# KiCad board LightRail_LPO_1.6T.kicad_pcb
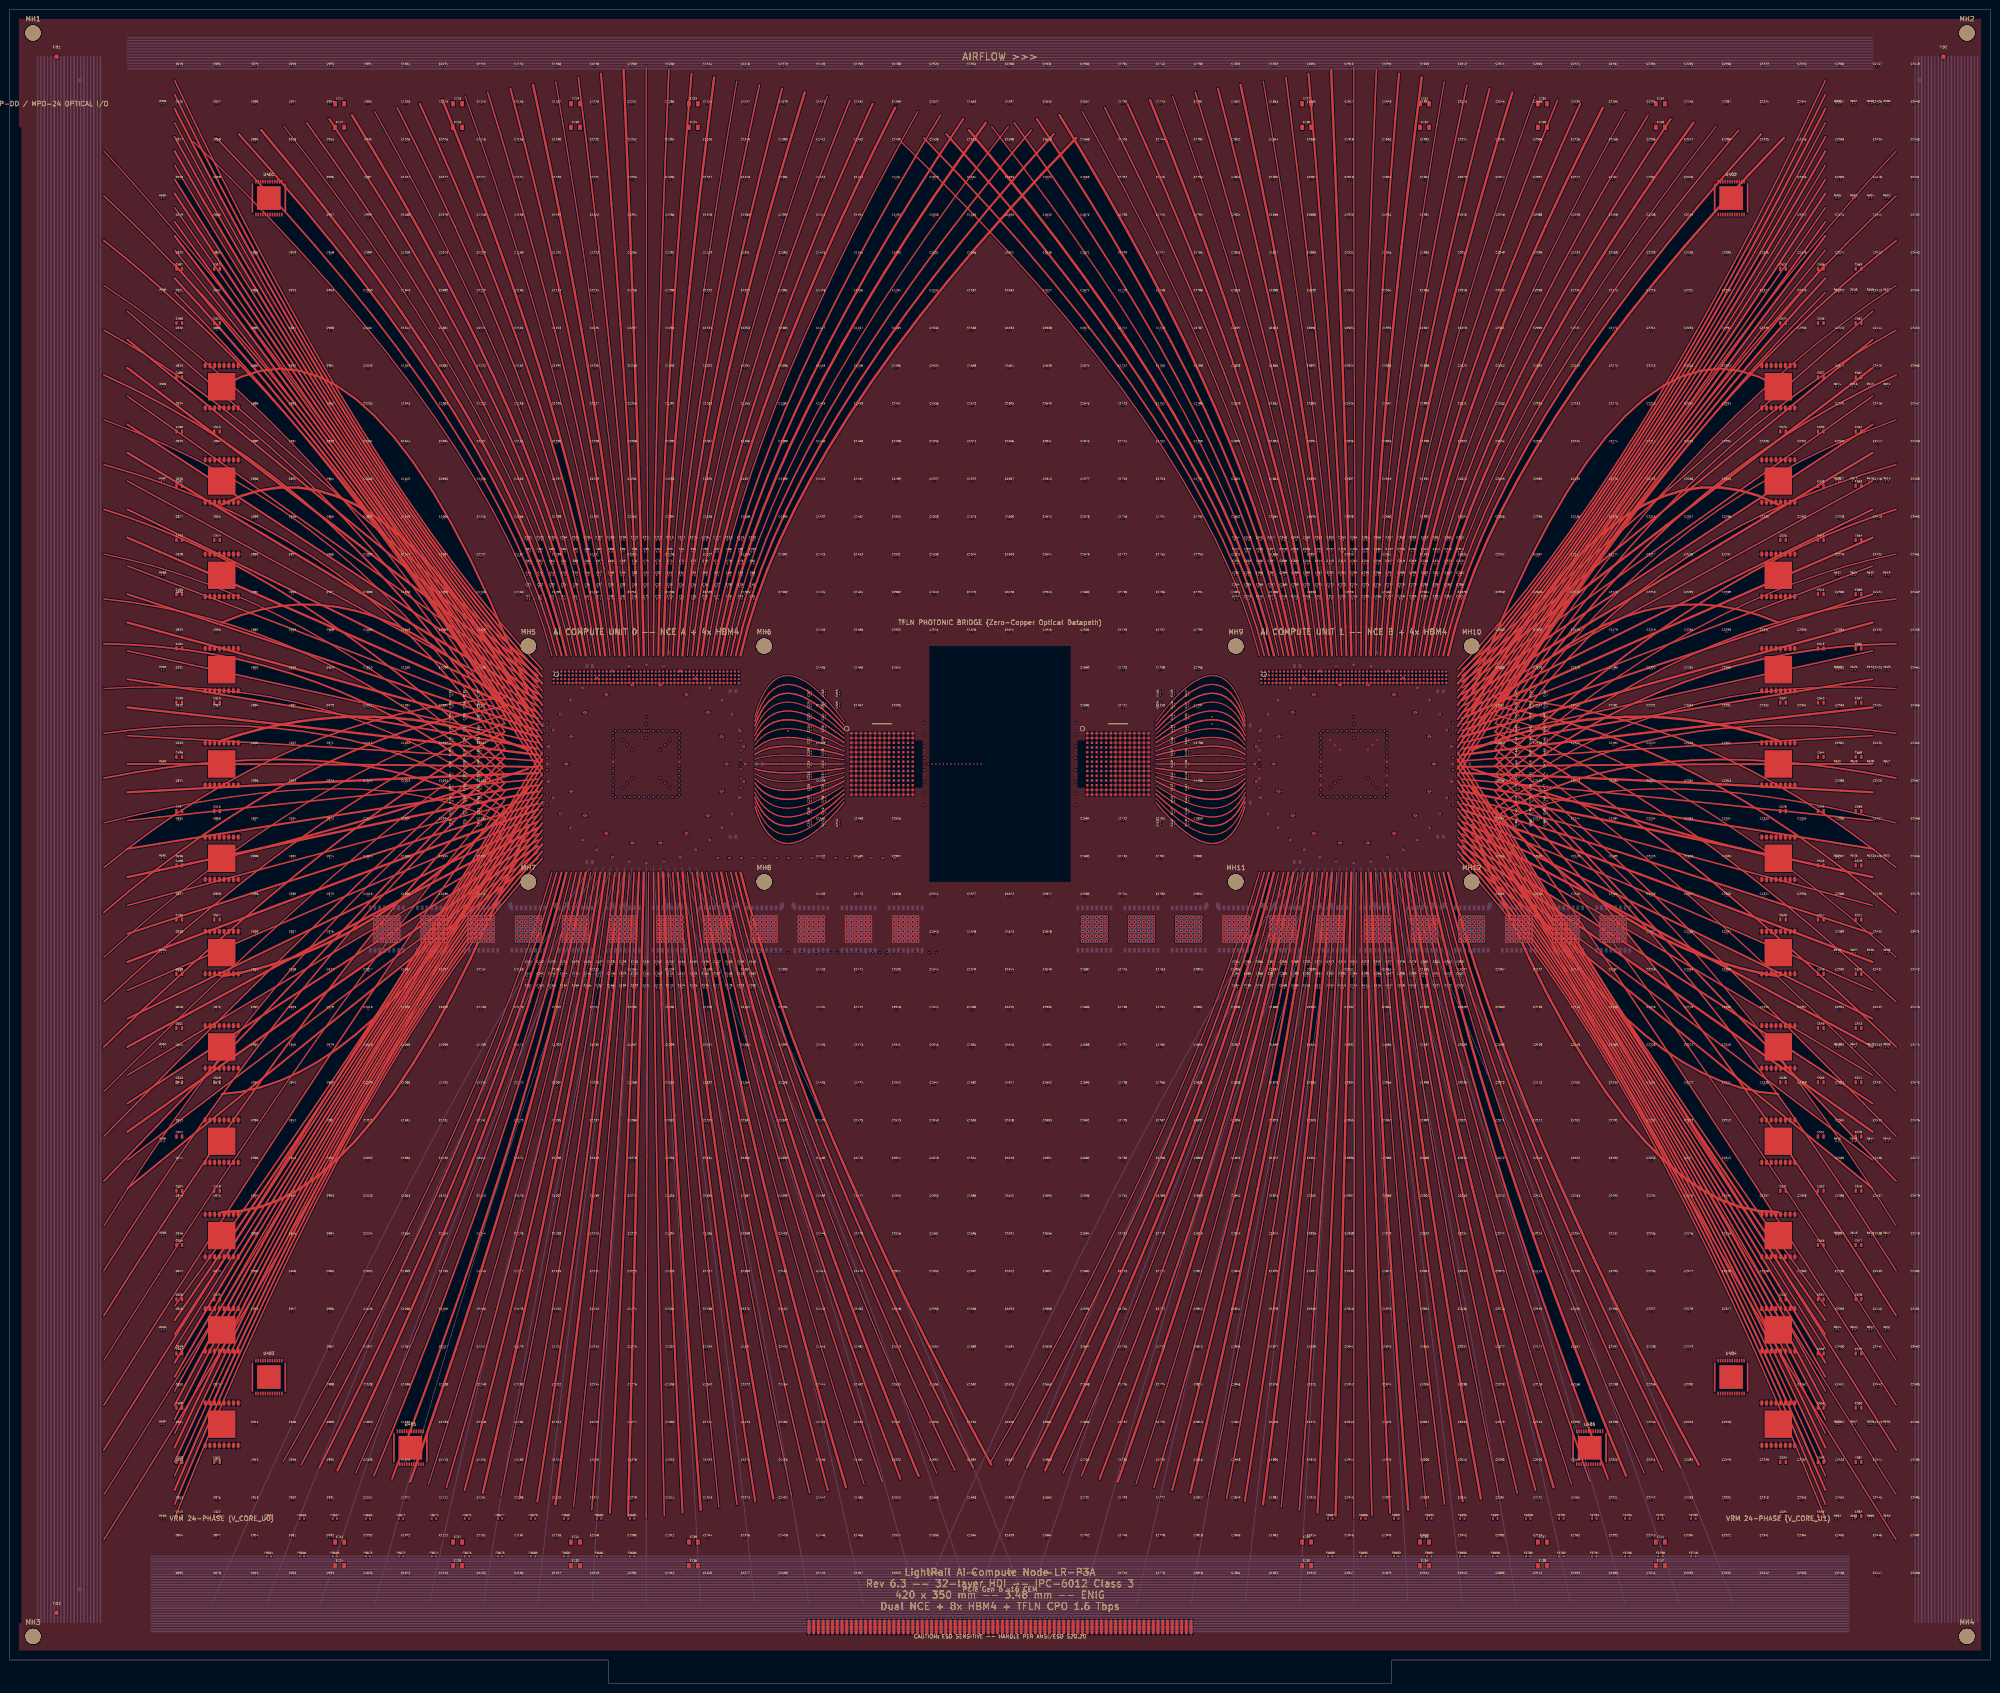
[diagram p0: board, top side]
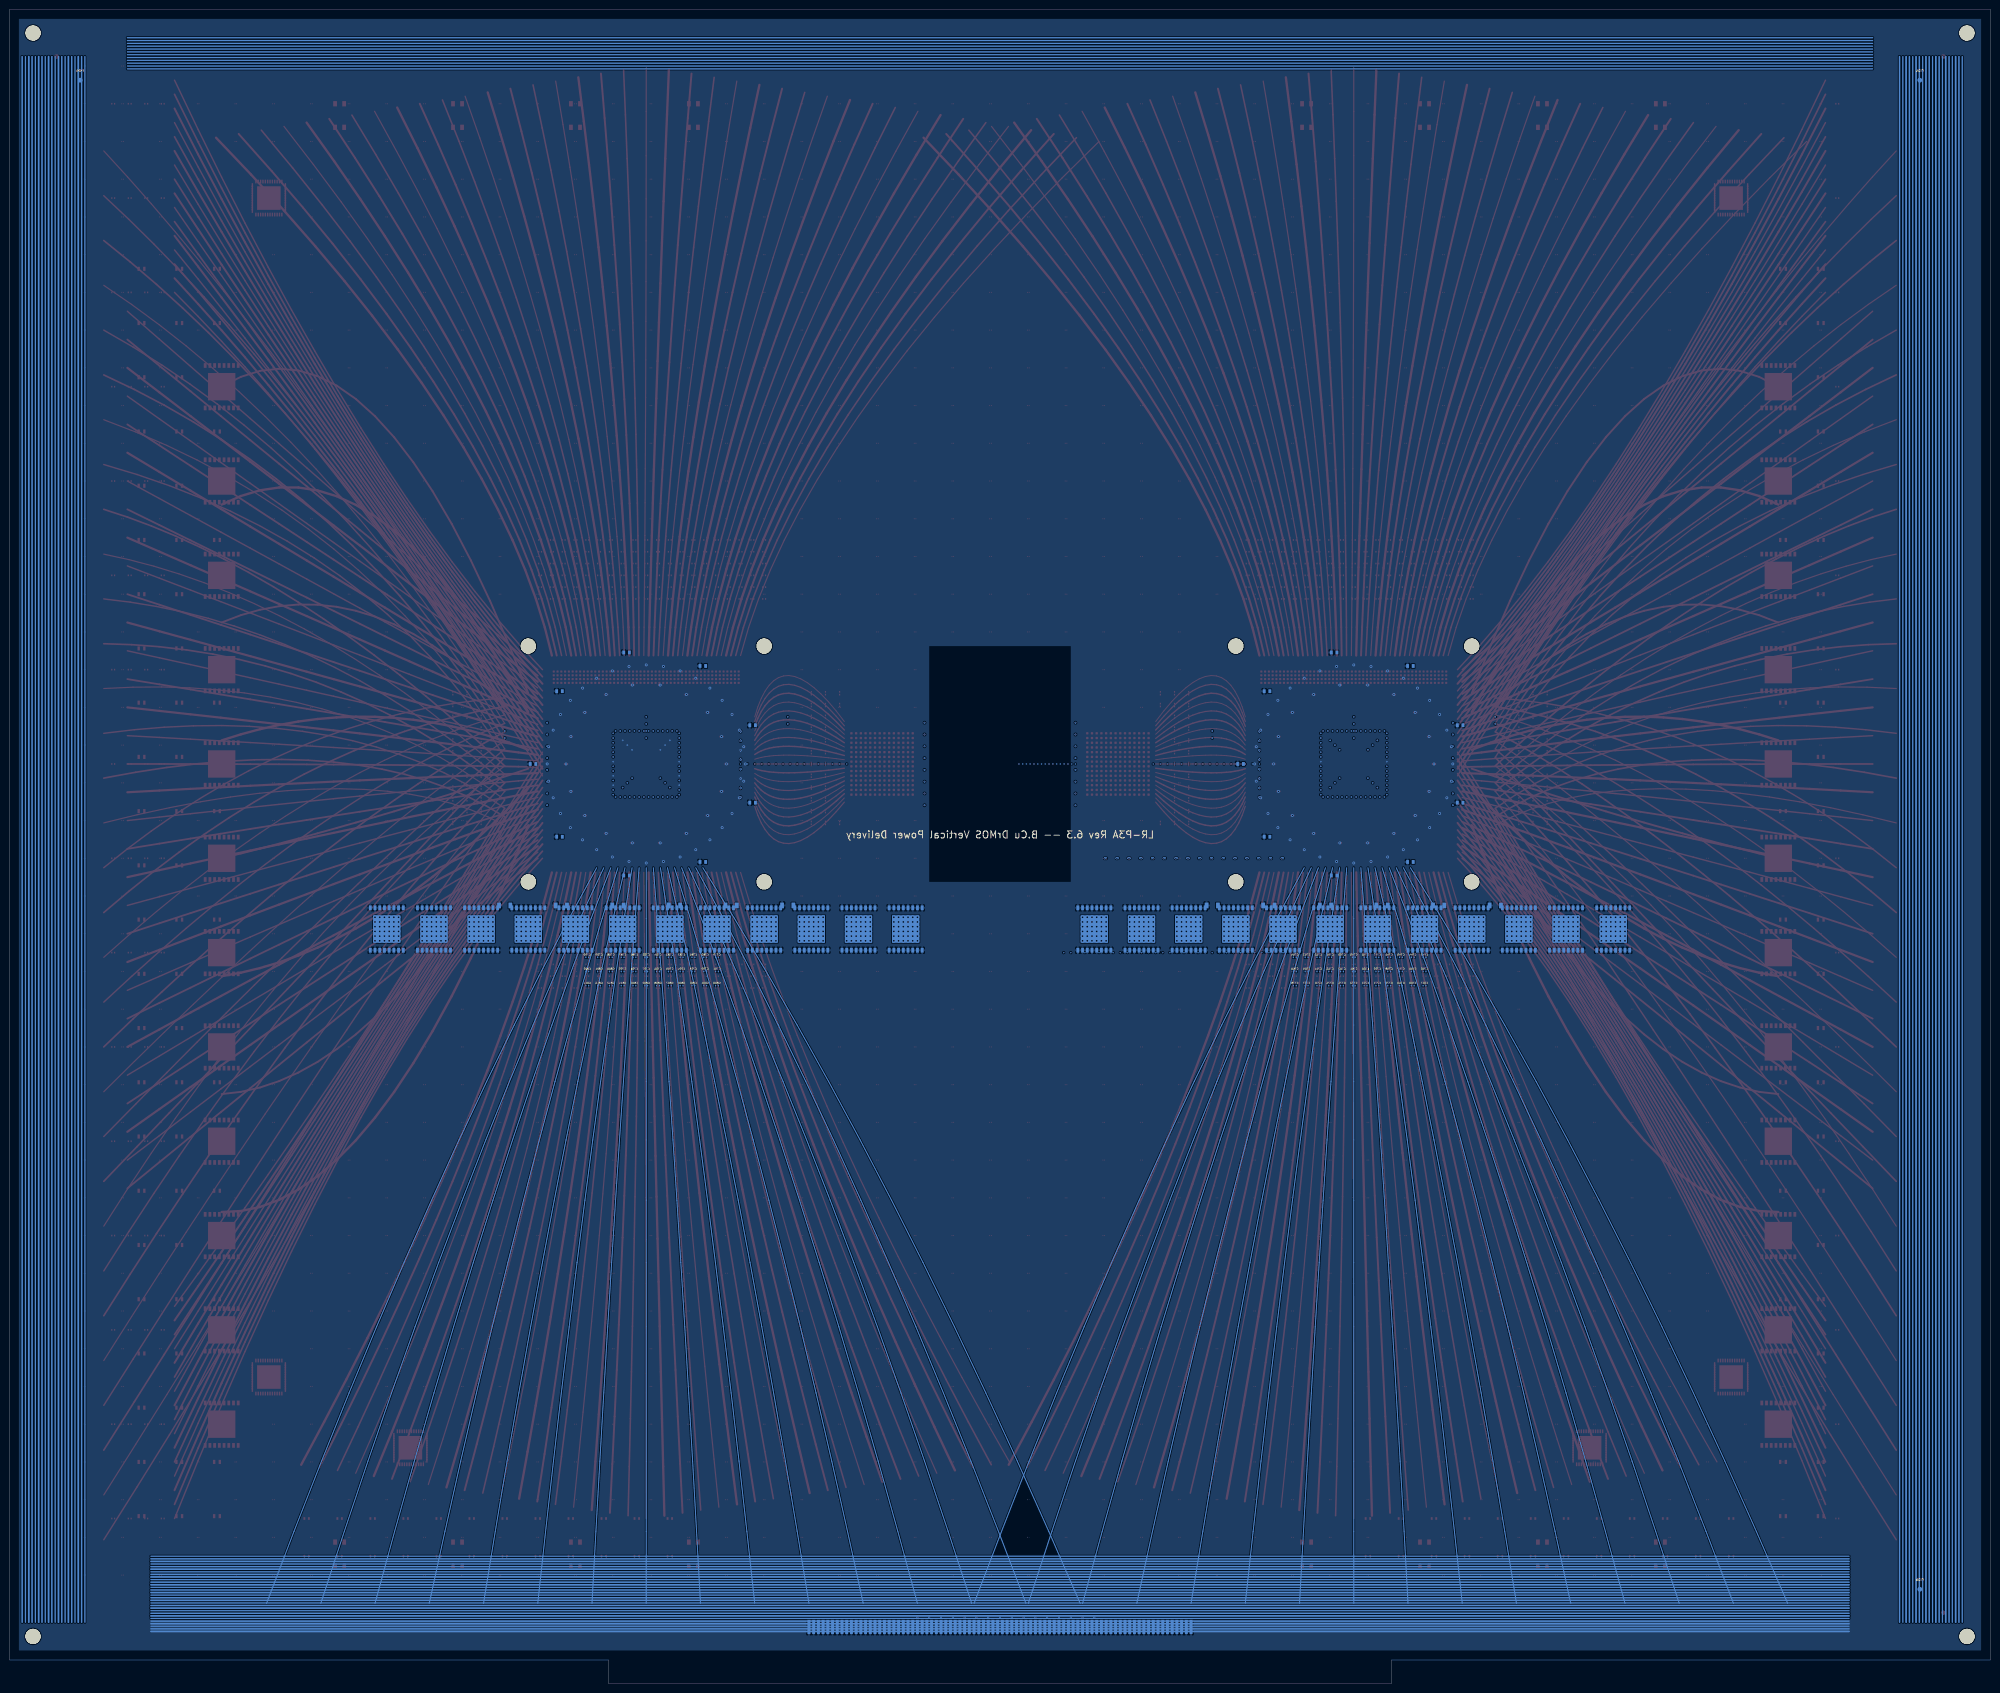
[diagram p1: board, bottom side, seen from below]

Outline 420 x 355 mm; copper layers: Top, In1.Cu, In2.Cu, In3.Cu, In4.Cu, In5.Cu, In6.Cu, In7.Cu, In8.Cu, In9.Cu, In10.Cu, In11.Cu, In12.Cu, In13.Cu, In14.Cu, In15.Cu, In16.Cu, In17.Cu, In18.Cu, In19.Cu, In20.Cu, In21.Cu, In22.Cu, In23.Cu, In24.Cu, In25.Cu, In26.Cu, In27.Cu, In28.Cu, In29.Cu, In30.Cu, Bottom. Coordinates in mm from the lower left corner of the outline.
Outline path: 0,355 420,355 420,5 293,5 293,0 127,0 127,5 0,5 0,355
Stack: Top 0.07mm / dielectric 0.076mm Megtron-7 er 3.3 / In1.Cu 0.0175mm / dielectric 0.076mm Megtron-7 er 3.3 / In2.Cu 0.0175mm / dielectric 0.076mm Megtron-7 er 3.3 / In3.Cu 0.0175mm / dielectric 0.076mm Megtron-7 er 3.3 / In4.Cu 0.0175mm / dielectric 0.076mm Megtron-7 er 3.3 / In5.Cu 0.0175mm / dielectric 0.076mm Megtron-7 er 3.3 / In6.Cu 0.0175mm / dielectric 0.076mm Megtron-7 er 3.3 / In7.Cu 0.0175mm / dielectric 0.076mm Megtron-7 er 3.3 / In8.Cu 0.0175mm / dielectric 0.076mm Megtron-7 er 3.3 / In9.Cu 0.0175mm / dielectric 0.076mm High-Tg-FR4 er 4.2 / In10.Cu 0.07mm / dielectric 0.076mm High-Tg-FR4 er 4.2 / In11.Cu 0.07mm / dielectric 0.076mm High-Tg-FR4 er 4.2 / In12.Cu 0.07mm / dielectric 0.076mm High-Tg-FR4 er 4.2 / In13.Cu 0.07mm / dielectric 0.076mm High-Tg-FR4 er 4.2 / In14.Cu 0.07mm / dielectric 0.024mm Faradflex-BC24 er 14 / In15.Cu 0.035mm / dielectric 0.024mm Faradflex-BC24 er 14 / In16.Cu 0.07mm / dielectric 0.076mm High-Tg-FR4 er 4.2 / In17.Cu 0.07mm / dielectric 0.076mm High-Tg-FR4 er 4.2 / In18.Cu 0.07mm / dielectric 0.076mm High-Tg-FR4 er 4.2 / In19.Cu 0.07mm / dielectric 0.076mm High-Tg-FR4 er 4.2 / In20.Cu 0.07mm / dielectric 0.076mm Megtron-7 er 3.3 / In21.Cu 0.0175mm / dielectric 0.076mm Megtron-7 er 3.3 / In22.Cu 0.0175mm / dielectric 0.076mm Megtron-7 er 3.3 / In23.Cu 0.0175mm / dielectric 0.076mm Megtron-7 er 3.3 / In24.Cu 0.0175mm / dielectric 0.076mm Megtron-7 er 3.3 / In25.Cu 0.0175mm / dielectric 0.076mm Megtron-7 er 3.3 / In26.Cu 0.0175mm / dielectric 0.076mm Megtron-7 er 3.3 / In27.Cu 0.0175mm / dielectric 0.076mm Megtron-7 er 3.3 / In28.Cu 0.0175mm / dielectric 0.076mm Megtron-7 er 3.3 / In29.Cu 0.0175mm / dielectric 0.076mm Megtron-7 er 3.3 / In30.Cu 0.0175mm / dielectric 0.076mm Megtron-7 er 3.3 / Bottom 0.07mm

## Placement (name value [footprint] x y rotation side)
C1  1.0x0.5  [C_passive#5]  110 230 0 top
C2  1.0x0.5  [C_passive#5]  112.5 230 0 top
C3  1.0x0.5  [C_passive#5]  115 230 0 top
C4  1.0x0.5  [C_passive#5]  117.5 230 0 top
C5  1.0x0.5  [C_passive#5]  120 230 0 top
C6  1.0x0.5  [C_passive#5]  122.5 230 0 top
C7  1.0x0.5  [C_passive#5]  125 230 0 top
C8  1.0x0.5  [C_passive#5]  127.5 230 0 top
C9  1.0x0.5  [C_passive#5]  130 230 0 top
C10  1.0x0.5  [C_passive#5]  132.5 230 0 top
C11  1.0x0.5  [C_passive#5]  135 230 0 top
C12  1.0x0.5  [C_passive#5]  137.5 230 0 top
C13  1.0x0.5  [C_passive#5]  140 230 0 top
C14  1.0x0.5  [C_passive#5]  142.5 230 0 top
C15  1.0x0.5  [C_passive#5]  145 230 0 top
C16  1.0x0.5  [C_passive#5]  147.5 230 0 top
C17  1.0x0.5  [C_passive#5]  150 230 0 top
C18  1.0x0.5  [C_passive#5]  152.5 230 0 top
C19  1.0x0.5  [C_passive#5]  155 230 0 top
C20  1.0x0.5  [C_passive#5]  157.5 230 0 top
C21  1.0x0.5  [C_passive#5]  110 232.5 0 top
C22  1.0x0.5  [C_passive#5]  112.5 232.5 0 top
C23  1.0x0.5  [C_passive#5]  115 232.5 0 top
C24  1.0x0.5  [C_passive#5]  117.5 232.5 0 top
C25  1.0x0.5  [C_passive#5]  120 232.5 0 top
C26  1.0x0.5  [C_passive#5]  122.5 232.5 0 top
C27  1.0x0.5  [C_passive#5]  125 232.5 0 top
C28  1.0x0.5  [C_passive#5]  127.5 232.5 0 top
C29  1.0x0.5  [C_passive#5]  130 232.5 0 top
C30  1.0x0.5  [C_passive#5]  132.5 232.5 0 top
C31  1.0x0.5  [C_passive#5]  135 232.5 0 top
C32  1.0x0.5  [C_passive#5]  137.5 232.5 0 top
C33  1.0x0.5  [C_passive#5]  140 232.5 0 top
C34  1.0x0.5  [C_passive#5]  142.5 232.5 0 top
C35  1.0x0.5  [C_passive#5]  145 232.5 0 top
C36  1.0x0.5  [C_passive#5]  147.5 232.5 0 top
C37  1.0x0.5  [C_passive#5]  150 232.5 0 top
C38  1.0x0.5  [C_passive#5]  152.5 232.5 0 top
C39  1.0x0.5  [C_passive#5]  155 232.5 0 top
C40  1.0x0.5  [C_passive#5]  157.5 232.5 0 top
C41  1.0x0.5  [C_passive#5]  110 235 0 top
C42  1.0x0.5  [C_passive#5]  112.5 235 0 top
C43  1.0x0.5  [C_passive#5]  115 235 0 top
C44  1.0x0.5  [C_passive#5]  117.5 235 0 top
C45  1.0x0.5  [C_passive#5]  120 235 0 top
C46  1.0x0.5  [C_passive#5]  122.5 235 0 top
C47  1.0x0.5  [C_passive#5]  125 235 0 top
C48  1.0x0.5  [C_passive#5]  127.5 235 0 top
C49  1.0x0.5  [C_passive#5]  130 235 0 top
C50  1.0x0.5  [C_passive#5]  132.5 235 0 top
C51  1.0x0.5  [C_passive#5]  135 235 0 top
C52  1.0x0.5  [C_passive#5]  137.5 235 0 top
C53  1.0x0.5  [C_passive#5]  140 235 0 top
C54  1.0x0.5  [C_passive#5]  142.5 235 0 top
C55  1.0x0.5  [C_passive#5]  145 235 0 top
C56  1.0x0.5  [C_passive#5]  147.5 235 0 top
C57  1.0x0.5  [C_passive#5]  150 235 0 top
C58  1.0x0.5  [C_passive#5]  152.5 235 0 top
C59  1.0x0.5  [C_passive#5]  155 235 0 top
C60  1.0x0.5  [C_passive#5]  157.5 235 0 top
C61  1.0x0.5  [C_passive#5]  110 237.5 0 top
C62  1.0x0.5  [C_passive#5]  112.5 237.5 0 top
C63  1.0x0.5  [C_passive#5]  115 237.5 0 top
C64  1.0x0.5  [C_passive#5]  117.5 237.5 0 top
C65  1.0x0.5  [C_passive#5]  120 237.5 0 top
C66  1.0x0.5  [C_passive#5]  122.5 237.5 0 top
C67  1.0x0.5  [C_passive#5]  125 237.5 0 top
C68  1.0x0.5  [C_passive#5]  127.5 237.5 0 top
C69  1.0x0.5  [C_passive#5]  130 237.5 0 top
C70  1.0x0.5  [C_passive#5]  132.5 237.5 0 top
C71  1.0x0.5  [C_passive#5]  135 237.5 0 top
C72  1.0x0.5  [C_passive#5]  137.5 237.5 0 top
C73  1.0x0.5  [C_passive#5]  140 237.5 0 top
C74  1.0x0.5  [C_passive#5]  142.5 237.5 0 top
C75  1.0x0.5  [C_passive#5]  145 237.5 0 top
C76  1.0x0.5  [C_passive#5]  147.5 237.5 0 top
C77  1.0x0.5  [C_passive#5]  150 237.5 0 top
C78  1.0x0.5  [C_passive#5]  152.5 237.5 0 top
C79  1.0x0.5  [C_passive#5]  155 237.5 0 top
C80  1.0x0.5  [C_passive#5]  157.5 237.5 0 top
C81  1.0x0.5  [C_passive#5]  110 240 0 top
C82  1.0x0.5  [C_passive#5]  112.5 240 0 top
C83  1.0x0.5  [C_passive#5]  115 240 0 top
C84  1.0x0.5  [C_passive#5]  117.5 240 0 top
C85  1.0x0.5  [C_passive#5]  120 240 0 top
C86  1.0x0.5  [C_passive#5]  122.5 240 0 top
C87  1.0x0.5  [C_passive#5]  125 240 0 top
C88  1.0x0.5  [C_passive#5]  127.5 240 0 top
C89  1.0x0.5  [C_passive#5]  130 240 0 top
C90  1.0x0.5  [C_passive#5]  132.5 240 0 top
C91  1.0x0.5  [C_passive#5]  135 240 0 top
C92  1.0x0.5  [C_passive#5]  137.5 240 0 top
C93  1.0x0.5  [C_passive#5]  140 240 0 top
C94  1.0x0.5  [C_passive#5]  142.5 240 0 top
C95  1.0x0.5  [C_passive#5]  145 240 0 top
C96  1.0x0.5  [C_passive#5]  147.5 240 0 top
C97  1.0x0.5  [C_passive#5]  150 240 0 top
C98  1.0x0.5  [C_passive#5]  152.5 240 0 top
C99  1.0x0.5  [C_passive#5]  155 240 0 top
C100  1.0x0.5  [C_passive#5]  157.5 240 0 top
C101  1.0x0.5  [C_passive#5]  110 242.5 0 top
C102  1.0x0.5  [C_passive#5]  112.5 242.5 0 top
C103  1.0x0.5  [C_passive#5]  115 242.5 0 top
C104  1.0x0.5  [C_passive#5]  117.5 242.5 0 top
C105  1.0x0.5  [C_passive#5]  120 242.5 0 top
C106  1.0x0.5  [C_passive#5]  122.5 242.5 0 top
C107  1.0x0.5  [C_passive#5]  125 242.5 0 top
C108  1.0x0.5  [C_passive#5]  127.5 242.5 0 top
C109  1.0x0.5  [C_passive#5]  130 242.5 0 top
C110  1.0x0.5  [C_passive#5]  132.5 242.5 0 top
C111  1.0x0.5  [C_passive#5]  135 242.5 0 top
C112  1.0x0.5  [C_passive#5]  137.5 242.5 0 top
C113  1.0x0.5  [C_passive#5]  140 242.5 0 top
C114  1.0x0.5  [C_passive#5]  142.5 242.5 0 top
C115  1.0x0.5  [C_passive#5]  145 242.5 0 top
C116  1.0x0.5  [C_passive#5]  147.5 242.5 0 top
C117  1.0x0.5  [C_passive#5]  150 242.5 0 top
C118  1.0x0.5  [C_passive#5]  152.5 242.5 0 top
C119  1.0x0.5  [C_passive#5]  155 242.5 0 top
C120  1.0x0.5  [C_passive#5]  157.5 242.5 0 top
C121  1.0x0.5  [C_passive#5]  110 152.5 0 top
C122  1.0x0.5  [C_passive#5]  112.5 152.5 0 top
C123  1.0x0.5  [C_passive#5]  115 152.5 0 top
C124  1.0x0.5  [C_passive#5]  117.5 152.5 0 top
C125  1.0x0.5  [C_passive#5]  120 152.5 0 top
C126  1.0x0.5  [C_passive#5]  122.5 152.5 0 top
C127  1.0x0.5  [C_passive#5]  125 152.5 0 top
C128  1.0x0.5  [C_passive#5]  127.5 152.5 0 top
C129  1.0x0.5  [C_passive#5]  130 152.5 0 top
C130  1.0x0.5  [C_passive#5]  132.5 152.5 0 top
C131  1.0x0.5  [C_passive#5]  135 152.5 0 top
C132  1.0x0.5  [C_passive#5]  137.5 152.5 0 top
C133  1.0x0.5  [C_passive#5]  140 152.5 0 top
C134  1.0x0.5  [C_passive#5]  142.5 152.5 0 top
C135  1.0x0.5  [C_passive#5]  145 152.5 0 top
C136  1.0x0.5  [C_passive#5]  147.5 152.5 0 top
C137  1.0x0.5  [C_passive#5]  150 152.5 0 top
C138  1.0x0.5  [C_passive#5]  152.5 152.5 0 top
C139  1.0x0.5  [C_passive#5]  155 152.5 0 top
C140  1.0x0.5  [C_passive#5]  157.5 152.5 0 top
C141  1.0x0.5  [C_passive#5]  110 150 0 top
C142  1.0x0.5  [C_passive#5]  112.5 150 0 top
C143  1.0x0.5  [C_passive#5]  115 150 0 top
C144  1.0x0.5  [C_passive#5]  117.5 150 0 top
C145  1.0x0.5  [C_passive#5]  120 150 0 top
C146  1.0x0.5  [C_passive#5]  122.5 150 0 top
C147  1.0x0.5  [C_passive#5]  125 150 0 top
C148  1.0x0.5  [C_passive#5]  127.5 150 0 top
C149  1.0x0.5  [C_passive#5]  130 150 0 top
C150  1.0x0.5  [C_passive#5]  132.5 150 0 top
C151  1.0x0.5  [C_passive#5]  135 150 0 top
C152  1.0x0.5  [C_passive#5]  137.5 150 0 top
C153  1.0x0.5  [C_passive#5]  140 150 0 top
C154  1.0x0.5  [C_passive#5]  142.5 150 0 top
C155  1.0x0.5  [C_passive#5]  145 150 0 top
C156  1.0x0.5  [C_passive#5]  147.5 150 0 top
C157  1.0x0.5  [C_passive#5]  150 150 0 top
C158  1.0x0.5  [C_passive#5]  152.5 150 0 top
C159  1.0x0.5  [C_passive#5]  155 150 0 top
C160  1.0x0.5  [C_passive#5]  157.5 150 0 top
C161  1.0x0.5  [C_passive#5]  110 147.5 0 top
C162  1.0x0.5  [C_passive#5]  112.5 147.5 0 top
C163  1.0x0.5  [C_passive#5]  115 147.5 0 top
C164  1.0x0.5  [C_passive#5]  117.5 147.5 0 top
C165  1.0x0.5  [C_passive#5]  120 147.5 0 top
C166  1.0x0.5  [C_passive#5]  122.5 147.5 0 top
C167  1.0x0.5  [C_passive#5]  125 147.5 0 top
C168  1.0x0.5  [C_passive#5]  127.5 147.5 0 top
C169  1.0x0.5  [C_passive#5]  130 147.5 0 top
C170  1.0x0.5  [C_passive#5]  132.5 147.5 0 top
C171  1.0x0.5  [C_passive#5]  135 147.5 0 top
C172  1.0x0.5  [C_passive#5]  137.5 147.5 0 top
C173  1.0x0.5  [C_passive#5]  140 147.5 0 top
C174  1.0x0.5  [C_passive#5]  142.5 147.5 0 top
C175  1.0x0.5  [C_passive#5]  145 147.5 0 top
C176  1.0x0.5  [C_passive#5]  147.5 147.5 0 top
C177  1.0x0.5  [C_passive#5]  150 147.5 0 top
C178  1.0x0.5  [C_passive#5]  152.5 147.5 0 top
C179  1.0x0.5  [C_passive#5]  155 147.5 0 top
C180  1.0x0.5  [C_passive#5]  157.5 147.5 0 top
C181  1.0x0.5  [C_passive]  100 210 90 top
C182  1.0x0.5  [C_passive]  97 210 90 top
C183  1.0x0.5  [C_passive]  94 210 90 top
C184  1.0x0.5  [C_passive]  100 207.5 90 top
C185  1.0x0.5  [C_passive]  97 207.5 90 top
C186  1.0x0.5  [C_passive]  94 207.5 90 top
C187  1.0x0.5  [C_passive]  100 205 90 top
C188  1.0x0.5  [C_passive]  97 205 90 top
C189  1.0x0.5  [C_passive]  94 205 90 top
C190  1.0x0.5  [C_passive]  100 202.5 90 top
C191  1.0x0.5  [C_passive]  97 202.5 90 top
C192  1.0x0.5  [C_passive]  94 202.5 90 top
C193  1.0x0.5  [C_passive]  100 200 90 top
C194  1.0x0.5  [C_passive]  97 200 90 top
C195  1.0x0.5  [C_passive]  94 200 90 top
C196  1.0x0.5  [C_passive]  100 197.5 90 top
C197  1.0x0.5  [C_passive]  97 197.5 90 top
C198  1.0x0.5  [C_passive]  94 197.5 90 top
C199  1.0x0.5  [C_passive]  100 195 90 top
C200  1.0x0.5  [C_passive]  97 195 90 top
C201  1.0x0.5  [C_passive]  94 195 90 top
C202  1.0x0.5  [C_passive]  100 192.5 90 top
C203  1.0x0.5  [C_passive]  97 192.5 90 top
C204  1.0x0.5  [C_passive]  94 192.5 90 top
C205  1.0x0.5  [C_passive]  100 190 90 top
C206  1.0x0.5  [C_passive]  97 190 90 top
C207  1.0x0.5  [C_passive]  94 190 90 top
C208  1.0x0.5  [C_passive]  100 187.5 90 top
C209  1.0x0.5  [C_passive]  97 187.5 90 top
C210  1.0x0.5  [C_passive]  94 187.5 90 top
C211  1.0x0.5  [C_passive]  100 185 90 top
C212  1.0x0.5  [C_passive]  97 185 90 top
C213  1.0x0.5  [C_passive]  94 185 90 top
C214  1.0x0.5  [C_passive]  100 182.5 90 top
C215  1.0x0.5  [C_passive]  97 182.5 90 top
C216  1.0x0.5  [C_passive]  94 182.5 90 top
C217  1.0x0.5  [C_passive]  170 210 90 top
C218  1.0x0.5  [C_passive]  173 210 90 top
C219  1.0x0.5  [C_passive]  176 210 90 top
C220  1.0x0.5  [C_passive]  170 207.5 90 top
C221  1.0x0.5  [C_passive]  173 207.5 90 top
C222  1.0x0.5  [C_passive]  176 207.5 90 top
C223  1.0x0.5  [C_passive]  170 205 90 top
C224  1.0x0.5  [C_passive]  173 205 90 top
C225  1.0x0.5  [C_passive]  170 202.5 90 top
C226  1.0x0.5  [C_passive]  173 202.5 90 top
C227  1.0x0.5  [C_passive]  170 200 90 top
C228  1.0x0.5  [C_passive]  173 200 90 top
C229  1.0x0.5  [C_passive]  170 197.5 90 top
C230  1.0x0.5  [C_passive]  173 197.5 90 top
C231  1.0x0.5  [C_passive]  170 195 90 top
C232  1.0x0.5  [C_passive]  173 195 90 top
C233  1.0x0.5  [C_passive]  170 192.5 90 top
C234  1.0x0.5  [C_passive]  173 192.5 90 top
C235  1.0x0.5  [C_passive]  170 190 90 top
C236  1.0x0.5  [C_passive]  173 190 90 top
C237  1.0x0.5  [C_passive]  170 187.5 90 top
C238  1.0x0.5  [C_passive]  173 187.5 90 top
C239  1.0x0.5  [C_passive]  170 185 90 top
C240  1.0x0.5  [C_passive]  173 185 90 top
C241  1.0x0.5  [C_passive]  170 182.5 90 top
C242  1.0x0.5  [C_passive]  173 182.5 90 top
C243  1.0x0.5  [C_passive]  176 182.5 90 top
C244  1.0x0.5  [C_passive#5]  260 230 0 top
C245  1.0x0.5  [C_passive#5]  262.5 230 0 top
C246  1.0x0.5  [C_passive#5]  265 230 0 top
C247  1.0x0.5  [C_passive#5]  267.5 230 0 top
C248  1.0x0.5  [C_passive#5]  270 230 0 top
C249  1.0x0.5  [C_passive#5]  272.5 230 0 top
C250  1.0x0.5  [C_passive#5]  275 230 0 top
C251  1.0x0.5  [C_passive#5]  277.5 230 0 top
C252  1.0x0.5  [C_passive#5]  280 230 0 top
C253  1.0x0.5  [C_passive#5]  282.5 230 0 top
C254  1.0x0.5  [C_passive#5]  285 230 0 top
C255  1.0x0.5  [C_passive#5]  287.5 230 0 top
C256  1.0x0.5  [C_passive#5]  290 230 0 top
C257  1.0x0.5  [C_passive#5]  292.5 230 0 top
C258  1.0x0.5  [C_passive#5]  295 230 0 top
C259  1.0x0.5  [C_passive#5]  297.5 230 0 top
C260  1.0x0.5  [C_passive#5]  300 230 0 top
C261  1.0x0.5  [C_passive#5]  302.5 230 0 top
C262  1.0x0.5  [C_passive#5]  305 230 0 top
C263  1.0x0.5  [C_passive#5]  307.5 230 0 top
C264  1.0x0.5  [C_passive#5]  260 232.5 0 top
C265  1.0x0.5  [C_passive#5]  262.5 232.5 0 top
C266  1.0x0.5  [C_passive#5]  265 232.5 0 top
C267  1.0x0.5  [C_passive#5]  267.5 232.5 0 top
C268  1.0x0.5  [C_passive#5]  270 232.5 0 top
C269  1.0x0.5  [C_passive#5]  272.5 232.5 0 top
C270  1.0x0.5  [C_passive#5]  275 232.5 0 top
C271  1.0x0.5  [C_passive#5]  277.5 232.5 0 top
C272  1.0x0.5  [C_passive#5]  280 232.5 0 top
C273  1.0x0.5  [C_passive#5]  282.5 232.5 0 top
C274  1.0x0.5  [C_passive#5]  285 232.5 0 top
C275  1.0x0.5  [C_passive#5]  287.5 232.5 0 top
C276  1.0x0.5  [C_passive#5]  290 232.5 0 top
C277  1.0x0.5  [C_passive#5]  292.5 232.5 0 top
C278  1.0x0.5  [C_passive#5]  295 232.5 0 top
C279  1.0x0.5  [C_passive#5]  297.5 232.5 0 top
C280  1.0x0.5  [C_passive#5]  300 232.5 0 top
C281  1.0x0.5  [C_passive#5]  302.5 232.5 0 top
C282  1.0x0.5  [C_passive#5]  305 232.5 0 top
C283  1.0x0.5  [C_passive#5]  307.5 232.5 0 top
C284  1.0x0.5  [C_passive#5]  260 235 0 top
C285  1.0x0.5  [C_passive#5]  262.5 235 0 top
C286  1.0x0.5  [C_passive#5]  265 235 0 top
C287  1.0x0.5  [C_passive#5]  267.5 235 0 top
C288  1.0x0.5  [C_passive#5]  270 235 0 top
C289  1.0x0.5  [C_passive#5]  272.5 235 0 top
C290  1.0x0.5  [C_passive#5]  275 235 0 top
C291  1.0x0.5  [C_passive#5]  277.5 235 0 top
C292  1.0x0.5  [C_passive#5]  280 235 0 top
C293  1.0x0.5  [C_passive#5]  282.5 235 0 top
C294  1.0x0.5  [C_passive#5]  285 235 0 top
C295  1.0x0.5  [C_passive#5]  287.5 235 0 top
C296  1.0x0.5  [C_passive#5]  290 235 0 top
C297  1.0x0.5  [C_passive#5]  292.5 235 0 top
C298  1.0x0.5  [C_passive#5]  295 235 0 top
C299  1.0x0.5  [C_passive#5]  297.5 235 0 top
C300  1.0x0.5  [C_passive#5]  300 235 0 top
C301  1.0x0.5  [C_passive#5]  302.5 235 0 top
C302  1.0x0.5  [C_passive#5]  305 235 0 top
C303  1.0x0.5  [C_passive#5]  307.5 235 0 top
C304  1.0x0.5  [C_passive#5]  260 237.5 0 top
C305  1.0x0.5  [C_passive#5]  262.5 237.5 0 top
C306  1.0x0.5  [C_passive#5]  265 237.5 0 top
C307  1.0x0.5  [C_passive#5]  267.5 237.5 0 top
C308  1.0x0.5  [C_passive#5]  270 237.5 0 top
C309  1.0x0.5  [C_passive#5]  272.5 237.5 0 top
C310  1.0x0.5  [C_passive#5]  275 237.5 0 top
C311  1.0x0.5  [C_passive#5]  277.5 237.5 0 top
C312  1.0x0.5  [C_passive#5]  280 237.5 0 top
C313  1.0x0.5  [C_passive#5]  282.5 237.5 0 top
C314  1.0x0.5  [C_passive#5]  285 237.5 0 top
C315  1.0x0.5  [C_passive#5]  287.5 237.5 0 top
C316  1.0x0.5  [C_passive#5]  290 237.5 0 top
C317  1.0x0.5  [C_passive#5]  292.5 237.5 0 top
C318  1.0x0.5  [C_passive#5]  295 237.5 0 top
C319  1.0x0.5  [C_passive#5]  297.5 237.5 0 top
C320  1.0x0.5  [C_passive#5]  300 237.5 0 top
C321  1.0x0.5  [C_passive#5]  302.5 237.5 0 top
C322  1.0x0.5  [C_passive#5]  305 237.5 0 top
C323  1.0x0.5  [C_passive#5]  307.5 237.5 0 top
C324  1.0x0.5  [C_passive#5]  260 240 0 top
C325  1.0x0.5  [C_passive#5]  262.5 240 0 top
C326  1.0x0.5  [C_passive#5]  265 240 0 top
C327  1.0x0.5  [C_passive#5]  267.5 240 0 top
C328  1.0x0.5  [C_passive#5]  270 240 0 top
C329  1.0x0.5  [C_passive#5]  272.5 240 0 top
C330  1.0x0.5  [C_passive#5]  275 240 0 top
C331  1.0x0.5  [C_passive#5]  277.5 240 0 top
C332  1.0x0.5  [C_passive#5]  280 240 0 top
C333  1.0x0.5  [C_passive#5]  282.5 240 0 top
C334  1.0x0.5  [C_passive#5]  285 240 0 top
C335  1.0x0.5  [C_passive#5]  287.5 240 0 top
C336  1.0x0.5  [C_passive#5]  290 240 0 top
C337  1.0x0.5  [C_passive#5]  292.5 240 0 top
C338  1.0x0.5  [C_passive#5]  295 240 0 top
C339  1.0x0.5  [C_passive#5]  297.5 240 0 top
C340  1.0x0.5  [C_passive#5]  300 240 0 top
C341  1.0x0.5  [C_passive#5]  302.5 240 0 top
C342  1.0x0.5  [C_passive#5]  305 240 0 top
C343  1.0x0.5  [C_passive#5]  307.5 240 0 top
C344  1.0x0.5  [C_passive#5]  260 242.5 0 top
C345  1.0x0.5  [C_passive#5]  262.5 242.5 0 top
C346  1.0x0.5  [C_passive#5]  265 242.5 0 top
C347  1.0x0.5  [C_passive#5]  267.5 242.5 0 top
C348  1.0x0.5  [C_passive#5]  270 242.5 0 top
C349  1.0x0.5  [C_passive#5]  272.5 242.5 0 top
C350  1.0x0.5  [C_passive#5]  275 242.5 0 top
C351  1.0x0.5  [C_passive#5]  277.5 242.5 0 top
C352  1.0x0.5  [C_passive#5]  280 242.5 0 top
C353  1.0x0.5  [C_passive#5]  282.5 242.5 0 top
C354  1.0x0.5  [C_passive#5]  285 242.5 0 top
C355  1.0x0.5  [C_passive#5]  287.5 242.5 0 top
C356  1.0x0.5  [C_passive#5]  290 242.5 0 top
C357  1.0x0.5  [C_passive#5]  292.5 242.5 0 top
C358  1.0x0.5  [C_passive#5]  295 242.5 0 top
C359  1.0x0.5  [C_passive#5]  297.5 242.5 0 top
C360  1.0x0.5  [C_passive#5]  300 242.5 0 top
C361  1.0x0.5  [C_passive#5]  302.5 242.5 0 top